# Altium PCB roach2.PcbDoc (part 7 of 39)
Units mil, origin at the board's own origin, x right, y up, seen from the top; angles counter-clockwise.
Board outline 12007.87 x 9606.3 mil, 16 copper layers (L1_TOP, L2_G, L3_S, L4_G, L5_S, L6_P, L7_G, L8_R, L9_R, L10_P, L11_P, L12_S, L13_P, L14_S, L15_G, L16_BOT), stack 81.651 mil thick; 1608 components, 1934 nets, 9335 pads, 6759 vias.
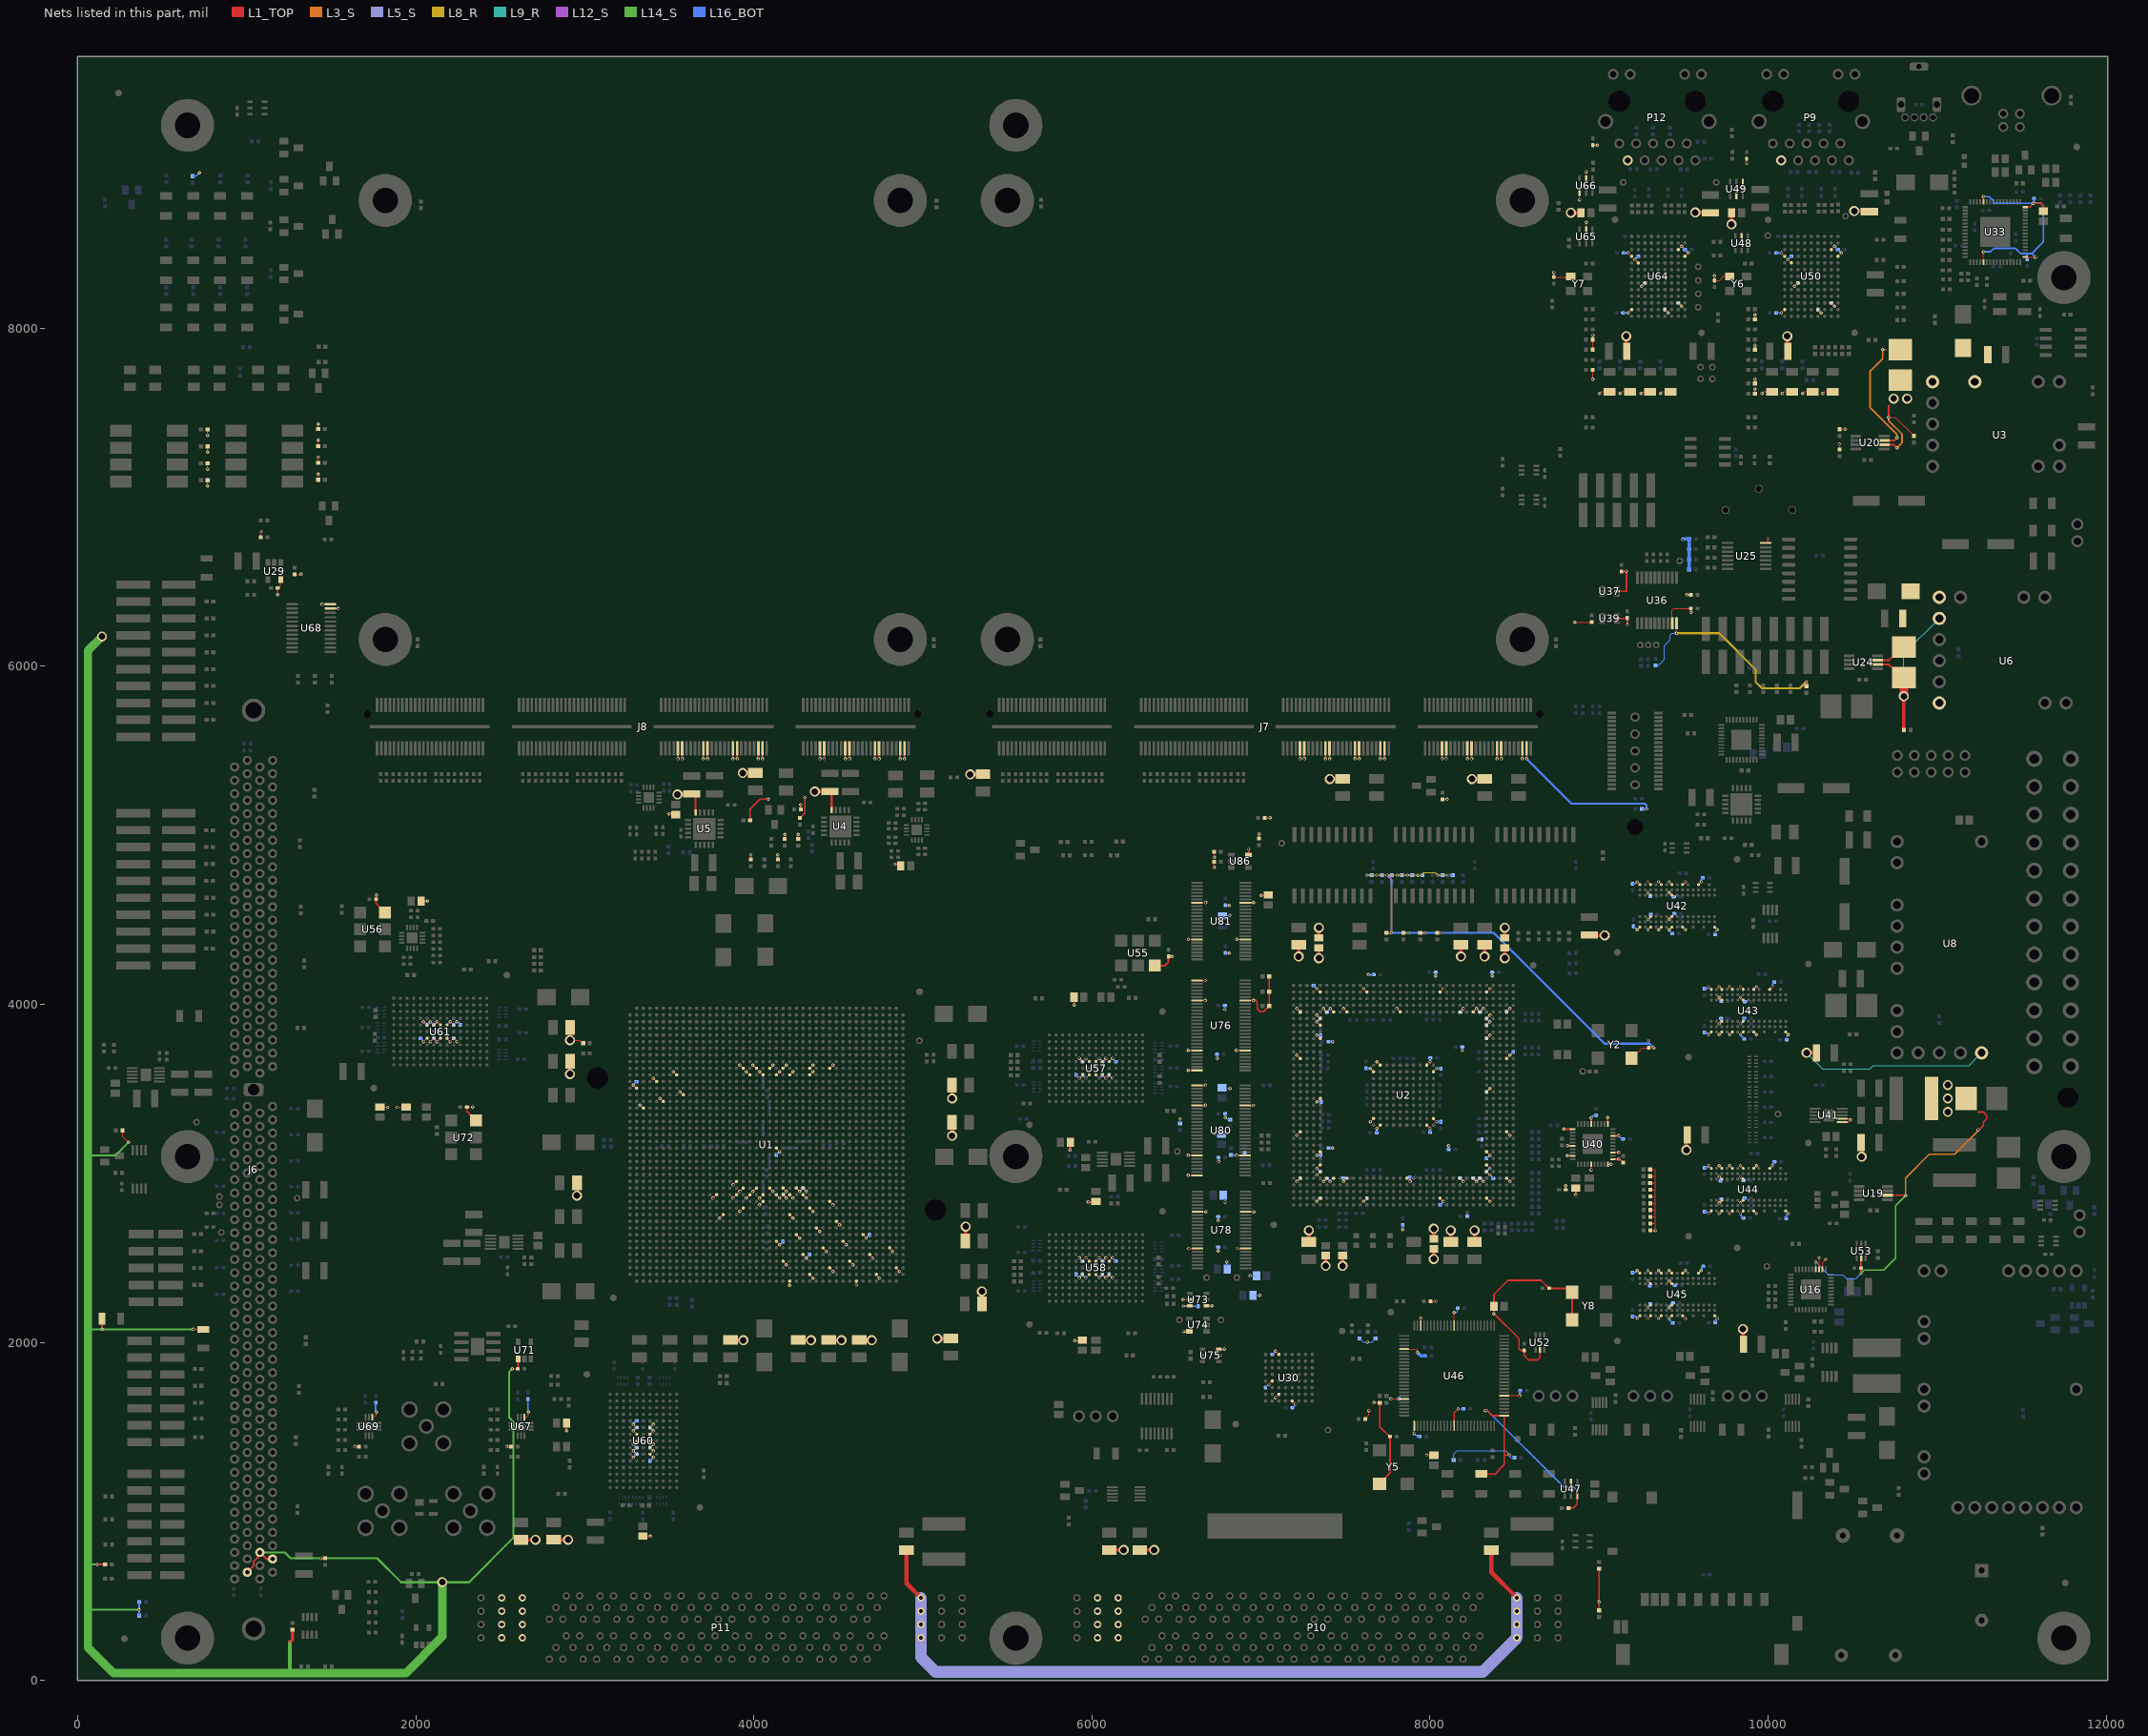
[diagram p21: the nets of this part, all layers, seen from the top]

## Via types
v1: diameter 19.4, hole 10, L1_TOP to L16_BOT, tented both sides, 3354 vias
v2: diameter 19.4, hole 10, L1_TOP to L16_BOT, 1884 vias
v3: diameter 19.4, hole 10, L1_TOP to L16_BOT, tented top, 410 vias
v4: diameter 18.6, hole 10, L1_TOP to L16_BOT, tented both sides, 311 vias
v5: diameter 59.06, hole 39.37, L1_TOP to L16_BOT, 217 vias
v6: diameter 19, hole 10, L1_TOP to L16_BOT, 198 vias
v7: diameter 19.4, hole 10.04, L1_TOP to L16_BOT, 125 vias
v8: diameter 19.4, hole 10, L1_TOP to L16_BOT, tented bottom, 80 vias
v9: diameter 25.98, hole 12.99, L1_TOP to L16_BOT, tented top, 59 vias
v10: diameter 20, hole 10, L1_TOP to L16_BOT, 52 vias
v11: diameter 59.06, hole 39.37, L1_TOP to L16_BOT, tented top, 44 vias
v12: diameter 20, hole 10, L1_TOP to L16_BOT, tented top, 16 vias
v13: diameter 19, hole 10, L1_TOP to L16_BOT, tented top, 5 vias
v14: diameter 50, hole 28, L1_TOP to L16_BOT, 4 vias

## Nets (pads, with @x,y where several pads share a name; then routed paths per layer and width w, separated by ;. In a path a pad name is that pad's centre, name@x,y a point inside that pad or via, vN(x,y) a via of type N, cw(c..) or ccw(c..) an arc to the next point about the centre after c; other vN are vias at no path point) (continued)
1V8: C199.2 C200.2 C201.2 C211.2 C217.2 C222.1 C224.2 C225.2 C226.2 C227.2 C228.2 C229.2 C230.2 C231.2 C232.1 C234.2 C235.2 C236.2 C237.2 C238.2 C239.2 C240.2 C241.2 C242.1 C244.2 C245.2 C246.2 C247.2 C248.2 C249.2 C250.2 C251.2 C252.1 C254.2 C255.2 C256.2 C257.2 C258.2 C259.2 C260.2 C261.2 C268.2 C269.2 C270.2 C364.2 C372.2 C406.2 C407.2 C532.2 C533.2 C534.2 C535.2 C536.2 C537.2 C538.2 C539.2 C540.2 C542.2 C543.2 C544.2 C545.2 C546.2 C547.2 C548.2 C549.2 C550.2 C592.2 C593.2 C594.2 C595.2 C596.2 C597.2 C598.2 C599.2 C600.2 C602.2 C603.2 C604.2 C605.2 C606.2 C607.2 C608.2 C609.2 C610.2 C677.1 C678.1 L9.1 L20.1 P10.W5 P10.X5 P10.Y5 P10.Z5 P11.W5 P11.X5 P11.Y5 P11.Z5 R10.2 R11.2 R171.2 R172.2 R176.2 R181.2 R182.2 R183.2 R184.2 R185.2 R186.2 R187.2 R188.2 U6.6 U8.14 U16.2 U24.2 U40.1 U40.6 U40.9 U40.15 U40.20 U40.21 U40.23 U40.28 U40.31 U40.36 U41.1 U41.2 U42.A1 U42.A9 U42.C1 U42.C3 U42.C7 U42.C9 U42.E1 U42.E9 U42.G1 U42.G3 U42.G7 U42.G9 U42.J1 U42.J9 U42.M9 U42.R1 U43.A1 U43.A9 U43.C1 U43.C3 U43.C7 U43.C9 U43.E1 U43.E9 U43.G1 U43.G3 U43.G7 U43.G9 U43.J1 U43.J9 U43.M9 U43.R1 U44.A1 U44.A9 U44.C1 U44.C3 U44.C7 U44.C9 U44.E1 U44.E9 U44.G1 U44.G3 U44.G7 U44.G9 U44.J1 U44.J9 U44.M9 U44.R1 U45.A1 U45.A9 U45.C1 U45.C3 U45.C7 U45.C9 U45.E1 U45.E9 U45.G1 U45.G3 U45.G7 U45.G9 U45.J1 U45.J9 U45.M9 U45.R1 U46.26 U46.57 U57.F5 U57.F7 U57.G5 U57.G7 U57.H5 U57.H7 U57.J5 U57.J7 U57.K5 U57.K7 U58.F5 U58.F7 U58.G5 U58.G7 U58.H5 U58.H7 U58.J5 U58.J7 U58.K5 U58.K7 U60.F5 U60.F7 U60.G5 U60.G7 U60.H5 U60.H7 U60.J5 U60.J7 U60.K5 U60.K7 U61.F5 U61.F7 U61.G5 U61.G7 U61.H5 U61.H7 U61.J5 U61.J7 U61.K5 U61.K7 | length 9344.7
  L1_TOP w5: C602.2@1799.99,3390.99 v2@1831.99,3390.99 ; v2@1893.99,3390.99 C603.2@1925.99,3390.99 ; v1(2047.24,3779.53) U61.K7@2066.93,3799.21 ; v1(2047.24,3897.64) U61.K5@2066.93,3877.95 ; v1(2086.61,3779.53) U61.J7@2106.3,3799.21 ; v1(2086.61,3897.64) U61.J5@2106.3,3877.95 ; v1(2125.98,3779.53) U61.H7@2145.67,3799.21 ; v1(2125.98,3897.64) U61.H5@2145.67,3877.95 ; U61.G7@2185.04,3799.21 v1(2204.73,3779.53) ; U61.G5@2185.04,3877.95 v1(2204.73,3897.64) ; U61.F7@2224.41,3799.21 v1(2244.1,3779.53) ; U61.F5@2224.41,3877.95 v1(2244.1,3897.64) ; v1(3287.4,1318.9) U60.K5@3307.09,1338.58 ; v1(3287.4,1358.27) U60.J5@3307.09,1377.95 ; v1(3287.4,1397.64) U60.H5@3307.09,1417.32 ; v1(3287.4,1476.38) U60.G5@3307.09,1456.69 ; v1(3287.4,1515.75) U60.F5@3307.09,1496.06 ; U60.K7@3385.83,1338.58 v1(3405.51,1318.9) ; U60.J7@3385.83,1377.95 v1(3405.51,1358.27) ; U60.H7@3385.83,1417.32 v1(3405.51,1397.64) ; U60.G7@3385.83,1456.69 v1(3405.51,1476.38) ; U60.F7@3385.83,1496.06 v1(3405.51,1515.75) ; v2@5898.99,2010.99 C543.2@5930.99,2010.99 ; v1(5925.2,2381.89) U58.F5@5944.88,2401.57 ; v1(5925.2,2500) U58.F7@5944.88,2480.31 ; v1(5925.2,3562.99) U57.F5@5944.88,3582.68 ; v1(5925.2,3681.1) U57.F7@5944.88,3661.42 ; v1(5964.57,2381.89) U58.G5@5984.25,2401.57 ; v1(5964.57,2500) U58.G7@5984.25,2480.31 ; v1(5964.57,3562.99) U57.G5@5984.25,3582.68 ; v1(5964.57,3681.1) U57.G7@5984.25,3661.42 ; U58.H5@6023.62,2401.57 v1(6043.31,2381.89) ; U58.H7@6023.62,2480.31 v1(6043.31,2500) ; U57.H5@6023.62,3582.68 v1(6043.31,3562.99) ; U57.H7@6023.62,3661.42 v1(6043.31,3681.1) ; U58.J5@6062.99,2401.57 v1(6082.68,2381.89) ; U58.J7@6062.99,2480.31 v1(6082.68,2500) ; U57.J5@6062.99,3582.68 v1(6082.68,3562.99) ; U57.J7@6062.99,3661.42 v1(6082.68,3681.1) ; U58.K5@6102.36,2401.57 v1(6122.05,2381.89) ; U58.K7@6102.36,2480.31 v1(6122.05,2500) ; U57.K5@6102.36,3582.68 v1(6122.05,3562.99) ; U57.K7@6102.36,3661.42 v1(6122.05,3681.1) ; v3(7906.77,1461.52) U46.26@7906.77,1506.73 ; v2(7980.73,1332.52) C268.2@8022.99,1332.52 ; U46.57@8439.25,1684.88 8484.46,1684.88 8484.57,1684.99 v2(8530.99,1684.99) ; v2(8952.99,3020.67) U40.15@8952.99,3040.99 ; U40.20@9051.57,3053.9 v3(9071.9,3053.9) ; v4(9226.38,2141.73) U45.A1@9242.13,2157.48 ; v4(9226.38,2425.2) U45.A9@9242.13,2409.45 ; v4(9226.38,4440.94) U42.A1@9242.13,4456.69 ; v4(9226.38,4724.41) U42.A9@9242.13,4708.66 ; v4(9289.37,2141.73) U45.C1@9305.12,2157.48 ; v4(9289.37,2204.72) U45.C3@9305.12,2220.47 ; v4(9289.37,2362.2) U45.C7@9305.12,2346.46 ; v4(9289.37,2425.2) U45.C9@9305.12,2409.45 ; v4(9289.37,4440.94) U42.C1@9305.12,4456.69 ; v4(9289.37,4503.94) U42.C3@9305.12,4519.68 ; v4(9289.37,4661.42) U42.C7@9305.12,4645.67 ; v4(9289.37,4724.41) U42.C9@9305.12,4708.66 ; R181.2@9302.36,2942.99 9333.86,2942.99 ; R186.2@9302.36,2982.99 9333.86,2982.99 ; R185.2@9302.36,3022.99 9333.86,3022.99 9334.17,3022.68 9334.17,2902.99 ; R184.2@9302.68,2662.99 v2(9334.17,2662.99) 9334.17,2702.99 ; R183.2@9302.68,2702.99 9334.17,2702.99 ; R188.2@9302.68,2742.99 9334.17,2742.99 ; R187.2@9302.68,2782.99 9334.17,2782.99 ; R172.2@9302.68,2822.99 9334.17,2822.99 ; R176.2@9302.68,2862.99 9334.17,2862.99 ; R182.2@9302.68,2902.99 9334.17,2902.99 ; v4(9352.36,2141.73) U45.E1@9368.11,2157.48 ; v4(9352.36,2425.2) U45.E9@9368.11,2409.45 ; v4(9352.36,4440.94) U42.E1@9368.11,4456.69 ; v4(9352.36,4724.41) U42.E9@9368.11,4708.66 ; v4(9415.35,2141.73) U45.G1@9431.1,2157.48 ; v4(9415.35,2204.72) U45.G3@9431.1,2220.47 ; v4(9415.35,2362.2) U45.G7@9431.1,2346.46 ; v4(9415.35,2425.2) U45.G9@9431.1,2409.45 ; v4(9415.35,4440.94) U42.G1@9431.1,4456.69 ; v4(9415.35,4503.94) U42.G3@9431.1,4519.68 ; v4(9415.35,4661.42) U42.G7@9431.1,4645.67 ; v4(9415.35,4724.41) U42.G9@9431.1,4708.66 ; U45.J1@9494.09,2157.48 v4(9509.84,2141.73) ; U45.J9@9494.09,2409.45 v4(9509.84,2425.2) ; U42.J1@9494.09,4456.69 v4(9509.84,4440.94) ; U42.J9@9494.09,4708.66 v4(9509.84,4724.41) ; U45.M9@9588.58,2409.45 v4(9604.33,2425.2) ; U42.M9@9588.58,4708.66 v4(9604.33,4724.41) ; v4(9647.64,2761.81) U44.A1@9663.39,2777.56 ; v4(9647.64,3045.28) U44.A9@9663.39,3029.53 ; v4(9647.64,3820.87) U43.A1@9663.39,3836.61 ; v4(9647.64,4104.33) U43.A9@9663.39,4088.58 ; U45.R1@9683.07,2157.48 v4(9698.82,2141.73) ; U42.R1@9683.07,4456.69 v4(9698.82,4440.94) ; v4(9710.63,2761.81) U44.C1@9726.38,2777.56 ; v4(9710.63,2824.8) U44.C3@9726.38,2840.55 ; v4(9710.63,2982.28) U44.C7@9726.38,2966.54 ; v4(9710.63,3045.28) U44.C9@9726.38,3029.53 ; v4(9710.63,3820.87) U43.C1@9726.38,3836.61 ; v4(9710.63,3883.86) U43.C3@9726.38,3899.61 ; v4(9710.63,4041.34) U43.C7@9726.38,4025.59 ; v4(9710.63,4104.33) U43.C9@9726.38,4088.58 ; v4(9773.62,2761.81) U44.E1@9789.37,2777.56 ; v4(9773.62,3045.28) U44.E9@9789.37,3029.53 ; v4(9773.62,3820.87) U43.E1@9789.37,3836.61 ; v4(9773.62,4104.33) U43.E9@9789.37,4088.58 ; v4(9836.61,2761.81) U44.G1@9852.36,2777.56 ; v4(9836.61,2824.8) U44.G3@9852.36,2840.55 ; v4(9836.61,2982.28) U44.G7@9852.36,2966.54 ; v4(9836.61,3045.28) U44.G9@9852.36,3029.53 ; v4(9836.61,3820.87) U43.G1@9852.36,3836.61 ; v4(9836.61,3883.86) U43.G3@9852.36,3899.61 ; v4(9836.61,4041.34) U43.G7@9852.36,4025.59 ; v4(9836.61,4104.33) U43.G9@9852.36,4088.58 ; U44.J1@9915.35,2777.56 v4(9931.1,2761.81) ; U44.J9@9915.35,3029.53 v4(9931.1,3045.28) ; U43.J1@9915.35,3836.61 v4(9931.1,3820.87) ; U43.J9@9915.35,4088.58 v4(9931.1,4104.33) ; U44.M9@10009.84,3029.53 v4(10025.59,3045.28) ; U43.M9@10009.84,4088.58 v4(10025.59,4104.33) ; U44.R1@10104.33,2777.56 v4(10120.08,2761.81) ; U43.R1@10104.33,3836.61 v4(10120.08,3820.87) ; U16.2@10321.89,2432.09 10321.89,2472.89 v6(10340,2491) ; U41.1@10438.7,3303.62 10479.62,3303.62 v2@10486.99,3310.99 ; U41.2@10438.7,3323.31 10478.68,3323.31 v2(10486.99,3314.99) ; v5(10802.99,5822.99) v5@10803.31,5822.68 ; 9334.17,2702.99 9334.17,2742.99 ; 9334.17,2742.99 9334.17,2782.99 ; 9334.17,2782.99 9334.17,2822.99 ; 9334.17,2822.99 9334.17,2862.99 ; 9334.17,2862.99 9334.17,2902.99
  L1_TOP w8: v3(8810.99,3104.09) U40.9@8843.9,3104.09
  L1_TOP w10: v2(2892.52,1476.99) C592.2@2892.52,1522.99 ; C593.2@3342.99,853.46 v2(3388.99,853.46) ; v2(8792,3262) 8792.43,3261.57 U40.1@8843.9,3261.57 ; C201.2@8802.68,2902.99 8802.68,2926.68 v3(8802.99,2926.99) ; v3(8812.99,3163.31) 8813.31,3162.99 U40.6@8836.99,3162.99 ; L20.1@8862.99,2913.46 8862.99,2872.72 v2(8863.15,2872.56) ; v2(8952.99,3326.99) 8953.15,3326.83 U40.36@8953.15,3292.09 ; v2(9050.83,3329.9) 9050.99,3329.74 U40.31@9050.99,3294.99 ; U40.21@9082.09,3084.41 9116.83,3084.41 v2(9116.99,3084.57) 9121.73,3084.57 R171.2@9142.99,3063.31 ; U40.23@9082.09,3123.78 9116.83,3123.78 v2(9116.99,3123.94) ; U40.28@9082.09,3222.2 9116.83,3222.2 v2(9116.99,3222.36) ; U24.2@10646.65,6010.2 10715.79,6010.2 R11.2@10742.99,5982.99
  L1_TOP w12: v2@5870.08,3141.23 C533.2@5870.08,3173.23 ; v2@5894.99,3998.99 C532.2@5894.99,4030.99 ; v2@5979.81,2830.71 C542.2@6011.81,2830.71
  L1_TOP w20: C677.1@2622.99,831.81 v5(2708.58,831.81) ; C678.1@6102.99,771.81 v5(6188.58,771.81) ; v5@8022.99,2477.99 v5(8022.99,2492.99) L9.1@8022.99,2548.46 ; C224.2@8977.52,4407.99 v5@9022.99,4407.99 ; v5@9516.99,3147.99 C244.2@9516.99,3193.46 ; C254.2@9850.99,2023.52 v5@9850.99,2068.99 ; v5@10237.99,3712.99 C234.2@10283.46,3712.99 ; v5(10552.99,3097.99) C217.2@10552.99,3187.99 ; R10.2@10803.31,5622.99 v5@10803.31,5822.68
  L1_TOP w50: v5(10802.99,5822.99) R11.2@10802.99,5882.99
  L9_R w5: v5(10227.99,3712.99) 10322.99,3617.99 10600.99,3617.99 10620.99,3637.99 11187.99,3637.99 U8.14@11262.99,3712.99 ; v5(10802.99,5822.99) 10802.99,6072.99 U6.6@11012.99,6282.99
  L16_BOT w5: C364.2@9687.38,4411.92 9687.38,4429.5 v4(9698.82,4440.94) ; v4(9710.63,2982.28) 9720.38,2972.54 9720.38,2956.76 C247.2@9718.64,2955.02 ; v4(9836.61,2982.28) 9836.61,2971.37 9850.99,2956.99 C251.2@9854.47,2956.99 ; C239.2@10110.67,3790.04 10110.67,3811.46 v4(10120.08,3820.87)
  L16_BOT w10: C599.2@2028.09,3799.74 2029.07,3798.76 v1@2047.77,3780.06 ; v1@2047.77,3898.17 2067.46,3878.48 v1(2086.61,3897.64) 2087.14,3898.17 2106.83,3878.48 v1@2126.51,3898.17 ; v1@2087.14,3780.05 2106.83,3799.74 v1@2126.51,3780.06 ; v1@2205.26,3898.17 2224.94,3878.48 2243.64,3897.18 v1@2243.64,3899.15 ; C595.2@2226.91,3797.77 v1@2244.63,3780.06 ; v1@2245.61,3898.17 2245.61,3897.18 C596.2@2264.31,3878.48 ; v1@3285.89,1515.29 3287.86,1515.29 3306.56,1496.59 v1@3286.87,1476.91 ; v1@3286.87,1319.43 3306.56,1339.11 3286.87,1358.8 3306.56,1378.48 v1(3287.4,1397.64) v1@3286.87,1398.17 ; v1@3286.87,1517.26 3287.86,1517.26 C610.2@3306.56,1535.96 ; C605.2@3385.3,1299.74 v1@3404.98,1319.43 ; v1@3404.98,1358.8 3386.32,1377.46 3385.3,1378.48 v1@3404.98,1398.17 ; v1@3404.98,1516.28 3387.27,1498.56 3387.27,1494.62 v1(3405.51,1476.38) ; C544.2@5904.98,2401.05 5923.68,2382.35 v1@5923.68,2381.36 ; C535.2@5905.51,3582.68 5924.21,3563.98 v1@5924.21,3562.99 ; v1@5924.67,2499.47 C550.2@5942.38,2481.75 ; v1(5925.2,3681.1) C538.2@5942.91,3663.39 ; v1@5925.65,2380.38 5925.65,2382.35 5944.35,2401.05 v1@5964.04,2381.36 ; v1@5926.18,3562.01 5926.18,3563.98 C537.2@5944.88,3582.68 v1(5964.57,3562.99) ; v1@6042.78,2381.36 6062.46,2401.05 6082.15,2381.36 6101.83,2401.04 v1@6121.52,2381.36 ; v1@6042.78,2499.47 6062.46,2479.79 v1@6082.15,2499.47 ; v1(6043.31,3562.99) C540.2@6062.99,3582.68 v1(6082.68,3562.99) C536.2@6102.36,3582.68 v1(6122.05,3562.99) ; v1(6043.31,3681.1) C534.2@6062.99,3661.42 v1(6082.68,3681.1) ; v1@6121.52,2499.47 C548.2@6141.2,2479.79 ; v1(6122.05,3681.1) C539.2@6141.73,3661.42 ; v2(7837.99,2667.99) 7838.58,2668.58 C211.2@7838.58,2694.88 ; v3(7906.77,1461.52) 7925.3,1442.99 C270.2@7938.31,1442.99 ; v2(8952.99,3326.99) 8969.31,3343.31 C200.2@8982.99,3343.31 ; v2(9116.99,3222.36) 9136.36,3202.99 C199.2@9143.31,3202.99 ; C256.2@9197.99,2153.31 9217.68,2153.31 v4@9227.82,2143.17 ; C255.2@9197.99,2412.68 9212.68,2412.68 v4@9222.99,2422.99 ; C230.2@9197.99,4712.68 9212.68,4712.68 v4@9222.99,4722.99 ; C229.2@9203.19,4461.29 9204.69,4461.29 v4@9222.99,4442.99 ; v4@9227.82,2143.16 v4@9227.99,2142.99 ; v4@9292.99,2207.99 9292.99,2217.68 C258.2@9303.31,2227.99 ; v4@9292.99,2357.99 9299.85,2351.13 C257.2@9299.85,2335.11 ; v4@9292.99,4502.99 9305.55,4515.55 C228.2@9305.55,4532.16 ; v4@9292.99,4657.99 9292.99,4648.31 C226.2@9303.31,4637.99 ; v4@9412.99,2142.99 9412.99,2137.33 C252.1@9435.68,2114.64 ; v4@9412.99,4442.99 9412.99,4438.31 C222.1@9433.31,4417.99 ; v4(9415.35,2204.72) 9415.35,2215.35 C260.2@9427.99,2227.99 ; v4@9417.99,2362.99 9442.99,2337.99 C259.2@9448.31,2337.99 ; v4@9417.99,4657.99 9437.59,4638.4 C225.2@9443.34,4638.4 ; v4@9602.99,4722.99 9602.99,4737.68 C231.2@9613.31,4747.99 ; v4@9607.99,2422.99 9607.99,2440.5 C261.2@9616.78,2449.29 ; C246.2@9622.99,2773.31 9637.68,2773.31 v4@9642.99,2767.99 ; C406.2@9622.99,3032.68 9637.68,3032.68 v4@9642.99,3037.99 ; C237.2@9622.99,3833.31 9637.68,3833.31 v4@9647.99,3822.99 ; C236.2@9622.99,4092.68 9637.68,4092.68 v4@9647.99,4102.99 ; C407.2@9687.68,2117.99 9687.68,2132.68 v4@9697.99,2142.99 ; v4@9712.99,3887.99 9721.87,3896.87 C235.2@9721.87,3917.25 ; v4@9712.99,4037.99 9712.99,4028.31 C240.2@9723.31,4017.99 ; v4@9717.99,2827.99 9723.31,2833.31 C249.2@9723.31,2847.99 ; v4@9832.99,4042.99 9856.44,4019.55 C238.2@9863.6,4019.55 ; v4@9837.99,2762.99 9837.99,2753 C242.1@9854.47,2736.52 ; v4@9837.99,2827.99 9860.37,2850.37 C245.2@9860.37,2854.63 ; v4@9837.99,3817.99 9838.31,3817.99 C232.1@9858.31,3797.99 ; v4@9837.99,3882.99 9858.31,3903.31 C241.2@9858.31,3917.99 ; v4@10027.99,3047.99 10027.99,3057.68 C248.2@10038.31,3067.99 ; v4@10027.99,4107.99 10027.99,4122.97 C372.2@10036.77,4131.75 ; C250.2@10107.68,2732.99 10107.68,2752.68 v4@10117.99,2762.99
  L16_BOT w12: v2(8530.99,1684.99) 8530.99,1710.68 C269.2@8533.31,1712.99 ; v4(9415.35,4503.94) 9415.35,4506.14 C227.2@9445.31,4536.1
  other v2: 5896.99,2010.99 5977.81,2830.71 5870.08,3139.23 1833.99,3390.99 1891.99,3390.99 5894.99,3996.99
  other v5: 9850.99,2078.99 9516.99,3137.99 9032.99,4407.99
1V8_FTDI: C170.2 C171.2 C185.2 U33.12 U33.37 U33.49 U33.64 | length 1406.7
  L1_TOP w5: U33.37@11274.09,8390.84 v3(11274.09,8451.3) ; U33.12@11274.09,8747.14 v3(11274.09,8778.99) ; U33.49@11521.14,8421.35 v2(11581.6,8421.35)
  L1_TOP w10: U33.64@11521.14,8716.63 11548.08,8716.63 v2(11570.24,8738.79) 11615.19,8738.79 11627.99,8725.99 C185.2@11627.99,8692.52
  L16_BOT w10: v3(11274.09,8451.3) 11275.78,8452.99 11316.18,8452.99 11335.02,8471.83 11464.15,8471.83 11493.96,8442.02 11530.99,8442.02 ; v3@11274.99,8778.09 v3(11274.09,8778.99) 11307.99,8778.99 11331.99,8754.99 11331.99,8738.79 v2(11570.24,8738.79) v2@11573.31,8741.86 ; C171.2@11532.99,8407.68 11532.99,8440.02 11530.99,8442.02 ; C170.2@11573.31,8767.99 v2@11573.31,8741.86 ; v2(11581.6,8421.35) 11560.93,8442.02 ; 11530.99,8442.02 11560.93,8442.02 ; 11560.93,8442.02 11576.99,8458.08 11576.99,8458.99 11627.99,8509.99 11627.99,8725.99 11615.19,8738.79 11576.37,8738.79 v2@11573.31,8741.86
1V8_PPC: C61.2 C62.2 C63.2 C64.2 C65.2 C66.2 C67.2 C68.1 C69.1 C70.2 C71.2 C72.2 C73.2 C74.2 C75.2 C76.2 L9.2 U2.AA13 U2.AB14 U2.AC2 U2.AF5 U2.AH5 U2.AJ5 U2.AK2 U2.AK6 U2.AK7 U2.AK9 U2.AK18 U2.AN5 U2.AN12 U2.V5 | length 956.9
  L1_TOP w5: U2.V5@7862.68,2970.87 v1(7882.36,2951.18) ; U2.AA13@7980.79,3285.83 v1(8000.47,3266.14) ; U2.AB14@8020.16,3325.2 v1(8039.84,3305.51) ; U2.AC2@8059.53,2852.76 v1(8079.21,2833.07) ; U2.AF5@8177.64,2970.87 v1(8197.32,2951.18) ; U2.AH5@8256.38,2970.87 v1(8276.06,2951.18) ; U2.AJ5@8295.75,2970.87 v1(8315.43,2951.18) ; U2.AK2@8335.12,2852.76 v1(8354.8,2833.07) ; U2.AK6@8335.12,3010.24 v1(8354.8,2990.55) ; U2.AK7@8335.12,3049.61 v1(8354.8,3029.92) ; U2.AK9@8335.12,3128.35 v1(8354.8,3108.66) ; U2.AK18@8335.12,3482.68 v1(8354.8,3502.36) ; U2.AN5@8453.23,2970.87 v1(8472.91,2951.18) ; U2.AN12@8453.23,3246.46 v1(8472.91,3226.77)
  L1_TOP w20: L9.2@8022.99,2627.52 v5(8022.99,2672.99) ; C68.1@8122.99,2594.17 8122.99,2592.99 C68.1@8127.99,2587.99 ; C68.1@8122.99,2607.52 v5(8122.99,2662.99) ; C69.1@8257.99,2597.99 8258.58,2598.58 8262.99,2602.99 v5@8262.99,2652.99
  L16_BOT w10: C64.2@7879.92,2976.38 7883.86,2974.41 7882.88,2973.43 7882.36,2972.91 v1(7882.36,2951.18) ; C66.2@8000,3242.13 8000,3265.75 8000.43,3266.18 v1@8001.97,3267.72 ; v1(8039.84,3305.51) 8062.6,3305.51 8063.98,3304.13 8064.96,3303.15 C65.2@8064.96,3305.12 ; C73.2@8059.05,2812.99 8061.02,2812.99 v1@8078.74,2830.71 ; C74.2@8110.24,3147.64 v1(8110.24,3163.39) v1@8110.24,3167.32 ; C61.2@8185.04,2966.54 8197.32,2954.25 v1(8197.32,2951.18) ; C76.2@8220.47,2751.97 v1(8220.47,2767.72) v1@8220.47,2771.65 ; C70.2@8255.91,2972.44 8275.59,2952.76 v1@8276.06,2952.76 ; v1(8276.06,2951.18) v1@8276.06,2952.76 ; v1@8277.56,2952.76 v1@8276.06,2952.76 ; v1@8281.5,3200.79 v1(8285.43,3200.79) C72.2@8301.18,3200.79 ; C62.2@8285.43,2964.57 8276.06,2955.2 v1@8276.06,2952.76 ; C62.2@8295.28,2972.44 v1@8314.96,2952.76 ; C63.2@8334.65,3088.58 8354.33,3108.27 8354.33,3108.66 v1@8354.33,3110.24 ; C67.2@8334.65,3482.28 v1@8354.33,3501.97 ; v1@8352.36,2990.16 8352.36,2990.55 8352.36,2992.13 C71.2@8334.65,3009.84 v1@8352.36,3027.56 ; v1@8356.32,2987.66 8373.85,2970.13 C75.2@8374.04,2969.95 ; v1@8472.44,2950.79 8472.91,2950.79 v1@8474.41,2950.79
  other v5: 8262.99,2662.99
1V8MON: C19.1 C20.2 R11.1 U6.5 U24.3 | length 107.6
  L1_TOP w10: U24.3@10646.65,6035.79 10715.79,6035.79 R11.1@10742.99,6062.99
2V5: C53.2 C280.2 C281.2 C282.2 C283.2 C284.2 C285.2 C286.2 C287.2 C288.2 C297.2 C302.2 C312.1 C313.1 C314.1 C315.1 C316.1 C317.1 C361.1 C362.1 C365.2 C366.2 C371.2 C385.1 C386.2 C388.1 C389.1 C392.2 C393.2 C418.1 C419.2 C506.2 C511.2 C675.1 C676.1 C685.2 C686.2 C687.2 C688.2 C689.2 C690.2 C691.2 C692.2 C693.2 C702.2 C709.2 C719.2 C723.2 C729.2 C735.2 C736.2 C739.2 C740.2 C745.2 C746.2 C749.2 C750.2 DS3.2 DS4.2 DS5.2 DS6.2 DS9.2 DS10.2 DS11.2 DS12.2 L12.1 L21.1 L23.1 L24.1 L25.2 L26.2 P9.9 P10.W4 P10.X4 P10.Y4 P10.Z4 P11.W4 P11.X4 P11.Y4 P11.Z4 P12.9 R3.2 R4.2 R65.2 R233.1 R235.1 R239.1 R240.1 R253.2 R254.2 R258.2 R259.2 R260.2 R261.2 R406.1 R408.1 R410.1 R419.2 R438.2 R493.1 R494.1 U1.AA10 U1.AA28 U1.AB11 U1.AB29 U1.AB30 U1.AC10 U1.AC28 U1.AD11 U1.AD29 U1.AE10 U1.AE28 U1.AE31 U1.AF27 U1.AF29 U1.AH32 U1.AJ29 U1.AP14 U1.AR11 U1.AU15 U1.AV12 U1.AY16 U1.B40 U1.BA13 U1.C37 U1.E41 U1.F38 U1.G35 U1.H42 U1.J39 U1.K36 U1.L33 U1.M10 U1.M30 U1.M40 U1.N37 U1.P34 U1.R10 U1.R11 U1.R31 U1.R41 U1.T28 U1.T29 U1.T38 U1.U28 U1.U35 U1.V11 U1.V29 U1.V32 U1.V42 U1.W10 U1.W28 U1.W29 U1.W39 U1.Y11 U1.Y22 U1.Y29 U1.Y36 U3.6 U6.10 U16.3 U20.2 U48.5 U49.1 U49.5 U50.B4 U50.B9 U50.C2 U50.F7 U50.J8 U50.K1 U50.K9 U50.L2 U55.6 U56.6 U64.B4 U64.B9 U64.C2 U64.F7 U64.J8 U64.K1 U64.K9 U64.L2 U65.5 U66.1 U66.5 U67.1 U69.1 U72.6 U73.6 U74.5 U76.7 U76.22 U78.7 U78.18 U80.7 U80.22 U81.7 U81.18 Y6.4 Y7.4 | length 8135.9
  L1_TOP w5: v3(1638.64,1383.2) 1638.85,1382.99 R438.2@1663.31,1382.99 ; U69.1@1742.68,1558.11 1754.11,1558.11 1765.99,1569.99 v2(1765.99,1587.99) ; C729.2@2302.68,3392.99 v2@2334.68,3392.99 ; v3(2538.64,1383.2) 2538.85,1382.99 R419.2@2563.31,1382.99 ; U67.1@2642.68,1558.11 2654.32,1558.11 2665.99,1569.79 v2(2665.99,1587.99) ; v11(2912.99,3787.99) 2972.31,3788 R65.2@2990.31,3770 ; v1(3286.5,3522.09) 3305.87,3502.72 U1.BA13@3306.19,3502.4 ; v1(3325.87,3403.98) 3345.24,3384.61 U1.AY16@3345.56,3384.29 ; v1(3404.61,3561.46) 3423.98,3542.09 U1.AV12@3424.3,3541.77 ; v1(3443.98,3443.35) 3463.35,3423.98 U1.AU15@3463.67,3423.66 ; v1(3522.72,3600.83) 3542.09,3581.46 U1.AR11@3542.41,3581.14 ; v1(3562.09,3482.72) 3581.46,3463.35 U1.AP14@3581.78,3463.03 ; v1(3758.94,2852.79) U1.AJ29@3778.63,2872.48 ; v1(3798.31,2734.68) U1.AH32@3818,2754.37 ; v1(3877.05,2852.79) U1.AF29@3896.74,2872.48 ; v1(3877.05,2931.53) U1.AF27@3896.74,2951.22 ; v1(3916.42,2774.05) U1.AE31@3936.11,2793.74 ; v1(3916.42,2892.16) U1.AE28@3936.11,2911.85 ; v1(3916.42,3640.2) 3935.79,3620.83 U1.AE10@3936.11,3620.51 ; v1(3955.79,2852.79) U1.AD29@3975.48,2872.48 ; v1(3955.79,3600.83) 3975.16,3581.46 U1.AD11@3975.48,3581.14 ; R254.2@3981.99,4857.68 v2(3981.99,4884.34) ; v1(3995.16,2892.16) U1.AC28@4014.85,2911.85 ; v1(3995.16,3640.2) 4014.53,3620.83 U1.AC10@4014.85,3620.51 ; v1(4034.53,2813.42) U1.AB30@4054.22,2833.11 ; v1(4034.53,2852.79) U1.AB29@4054.22,2872.48 ; v1(4034.53,3600.83) 4053.9,3581.46 U1.AB11@4054.22,3581.14 ; U1.AA28@4093.59,2911.85 v1(4113.28,2892.16) ; U1.AA10@4093.59,3620.51 4094.81,3621.73 v1(4113.28,3640.2) ; U1.Y36@4132.96,2596.89 v1(4152.65,2577.2) ; U1.Y29@4132.96,2872.48 v1(4152.65,2852.79) ; U1.Y22@4132.96,3148.07 v1(4152.65,3128.38) ; U1.Y11@4132.96,3581.14 4134.18,3582.36 v1(4152.65,3600.83) ; R253.2@4141.99,4857.68 v2(4141.99,4884.34) ; U1.W39@4172.33,2478.78 v1(4192.02,2459.09) ; U1.W29@4172.33,2872.48 v1(4192.02,2852.79) ; U1.W28@4172.33,2911.85 v1(4192.02,2892.16) ; U1.W10@4172.33,3620.51 4173.55,3621.73 v1(4192.02,3640.2) ; R259.2@4182.99,4978.68 v2(4182.99,5005.34) ; U1.V42@4211.39,2358.09 4211.7,2357.77 v1(4211.7,2336.98) ; U1.V32@4211.7,2754.37 v1(4231.39,2734.68) ; U1.V29@4211.7,2872.48 v1(4231.39,2852.79) ; U1.V11@4211.7,3581.14 4212.92,3582.36 v1(4231.39,3600.83) ; U1.U35@4251.07,2636.26 v1(4270.76,2616.57) ; U1.U28@4251.07,2911.85 v1(4270.76,2892.16) ; R261.2@4262.99,4978.68 v2(4262.99,5005.34) ; R494.1@4277.68,5152.99 v2(4277.68,5179.65) ; U1.T38@4290.44,2518.15 v1(4310.13,2498.46) ; U1.T29@4290.44,2872.48 v1(4310.13,2852.79) ; U1.T28@4290.44,2911.85 v1(4310.13,2892.16) ; U1.R41@4329.81,2400.04 v1(4349.5,2380.35) ; U1.R31@4329.81,2793.74 v1(4349.5,2774.05) ; U1.R11@4329.81,3581.14 4331.03,3582.36 v1(4349.5,3600.83) ; U1.R10@4329.81,3620.51 4331.03,3621.73 v1(4349.5,3640.2) ; U1.P34@4369.18,2675.63 v1(4388.87,2655.94) ; U1.N37@4408.55,2557.52 v1(4428.24,2537.83) ; U1.M40@4447.92,2439.41 v1(4467.61,2419.72) ; U1.M30@4447.92,2833.11 v1(4467.61,2813.42) ; U1.M10@4447.92,3620.51 4449.14,3621.73 v1(4467.61,3640.2) ; U1.L33@4487.29,2715 v1(4506.98,2695.31) ; U1.K36@4526.66,2596.89 v1(4546.35,2577.2) ; U1.J39@4566.03,2478.78 v1(4585.72,2459.09) ; U1.H42@4605.09,2362.09 4605.4,2361.77 v1@4605.4,2340.98 ; U1.G35@4644.77,2636.26 v1(4664.46,2616.57) ; U1.F38@4684.14,2518.15 v1(4703.83,2498.46) ; U1.E41@4723.51,2400.04 v1(4743.2,2380.35) ; U1.C37@4802.25,2557.52 v1(4821.94,2537.83) ; U1.B40@4841.62,2439.41 v1(4861.31,2419.72) ; v2(6540.99,2214.99) 6541.39,2215.39 U73.6@6588.68,2215.39 ; v2(6542.99,2064.99) 6543.39,2065.39 U74.5@6576.68,2065.39 ; v1(6569.83,3106.37) U80.22@6620.83,3106.37 U80.22@6637.77,3106.37 ; v1@6569.83,3727.31 U76.22@6620.83,3727.31 U76.22@6637.77,3727.31 ; v1(6570.73,4384.65) U81.18@6621.73,4384.65 U81.18@6638.67,4384.65 ; v1(6572.93,2555.97) U78.18@6623.93,2555.97 U78.18@6640.87,2555.97 ; U80.7@6603.89,3401.64 U80.7@6620.83,3401.64 v1@6671.83,3401.64 ; U76.7@6603.89,4022.59 U76.7@6620.83,4022.59 v1@6671.83,4022.59 ; U81.7@6604.79,4601.19 U81.7@6621.73,4601.19 v1(6672.73,4601.19) ; U78.7@6606.99,2772.5 U78.7@6623.93,2772.5 v1(6674.93,2772.5) ; R258.2@7020.68,5102.99 R258.2@7022.68,5102.99 v2@7052.99,5102.99 ; R493.1@8072.99,5212.68 8100.68,5212.68 v2(8100.99,5212.99) ; v6(8733,8331) C709.2@8732.99,8302.68 8829.37,8302.68 Y7.4@8832.99,8306.3 ; v2@8885.59,8757.68 v2(8885.59,8759.68) U66.1@8885.59,8799.68 ; U65.5@8922.99,8586.3 v2(8922.99,8626.3) v2@8922.99,8628.3 ; U66.5@8922.99,8886.3 v2(8922.99,8926.3) v2@8922.99,8928.3 ; v2@8962.68,7700.99 v2(8962.68,7698.99) R410.1@8962.68,7752.99 ; R408.1@8962.68,7872.99 R406.1@8962.68,7932.99 v2(8962.68,7958.99) v2@8962.68,7960.99 ; C702.2@8962.99,9083.31 v2(8988.99,9083.31) v2@8990.99,9083.31 ; v2(9003.94,7614.17) 9013.7,7623.94 DS9.2@9062.99,7623.94 ; v2(9123.94,7614.17) 9133.7,7623.94 DS10.2@9182.99,7623.94 ; v1(9173.23,8090.55) U64.B9@9192.91,8110.24 ; v1(9173.23,8444.88) U64.K9@9192.91,8425.2 ; v1(9212.6,8405.51) U64.J8@9232.28,8385.83 ; v2(9247.94,7613.23) 9257.7,7622.99 DS11.2@9306.99,7622.99 ; v1(9251.97,8248.03) U64.F7@9271.65,8267.72 ; v2(9363.94,7614.17) 9373.7,7623.94 DS12.2@9422.99,7623.94 ; U64.B4@9389.76,8110.24 v1(9409.45,8090.55) ; U64.C2@9468.5,8149.61 v1(9488.19,8129.92) ; U64.L2@9468.5,8464.57 v1(9488.19,8484.25) ; U64.K1@9507.87,8425.2 v1(9527.56,8444.88) ; v2(9682.99,8309.26) C302.2@9682.99,8282.68 9712.68,8282.68 9736.3,8306.3 Y6.4@9772.99,8306.3 ; U49.5@9812.99,8779.68 v2(9812.99,8811.12) ; v2(9842.99,8514.87) U48.5@9842.99,8546.3 ; v2(9850.39,8834.87) U49.1@9850.39,8866.3 ; v2(9872.99,8976.72) C297.2@9872.99,9003.31 ; R240.1@9922.68,7612.99 v2(9922.68,7639.57) ; R235.1@9922.68,7672.99 v2(9922.68,7699.57) ; R239.1@9922.68,7872.99 v2(9922.68,7899.57) ; R233.1@9922.68,8052.99 v2(9922.68,8079.57) ; v2(9963.94,7614.17) 9973.7,7623.94 DS3.2@10022.99,7623.94 ; v1(10078.74,8090.55) U50.B9@10098.43,8110.24 ; v1(10078.74,8444.88) U50.K9@10098.43,8425.2 ; v2(10083.94,7614.17) 10093.7,7623.94 DS4.2@10142.99,7623.94 ; v1(10118.11,8405.51) U50.J8@10137.8,8385.83 ; v1(10157.48,8248.03) U50.F7@10177.17,8267.72 ; v2(10203.94,7614.17) 10213.7,7623.94 DS5.2@10262.99,7623.94 ; U50.B4@10295.28,8110.24 v1(10314.96,8090.55) ; v6(10302,2501) 10302.2,2500.8 U16.3@10302.2,2432.09 ; v2(10323.94,7614.17) 10333.7,7623.94 DS6.2@10382.99,7623.94 ; U50.C2@10374.02,8149.61 v1(10393.7,8129.92) ; U50.L2@10374.02,8464.57 v1(10393.7,8484.25) ; U50.K1@10413.39,8425.2 v1(10433.07,8444.88) ; v10(10712.99,7472.99) 10752.68,7472.99 R3.2@10862.99,7362.68